# Altium PCB UHF_RFID_PROJECT.PcbDoc (part 3 of 3) (continued)
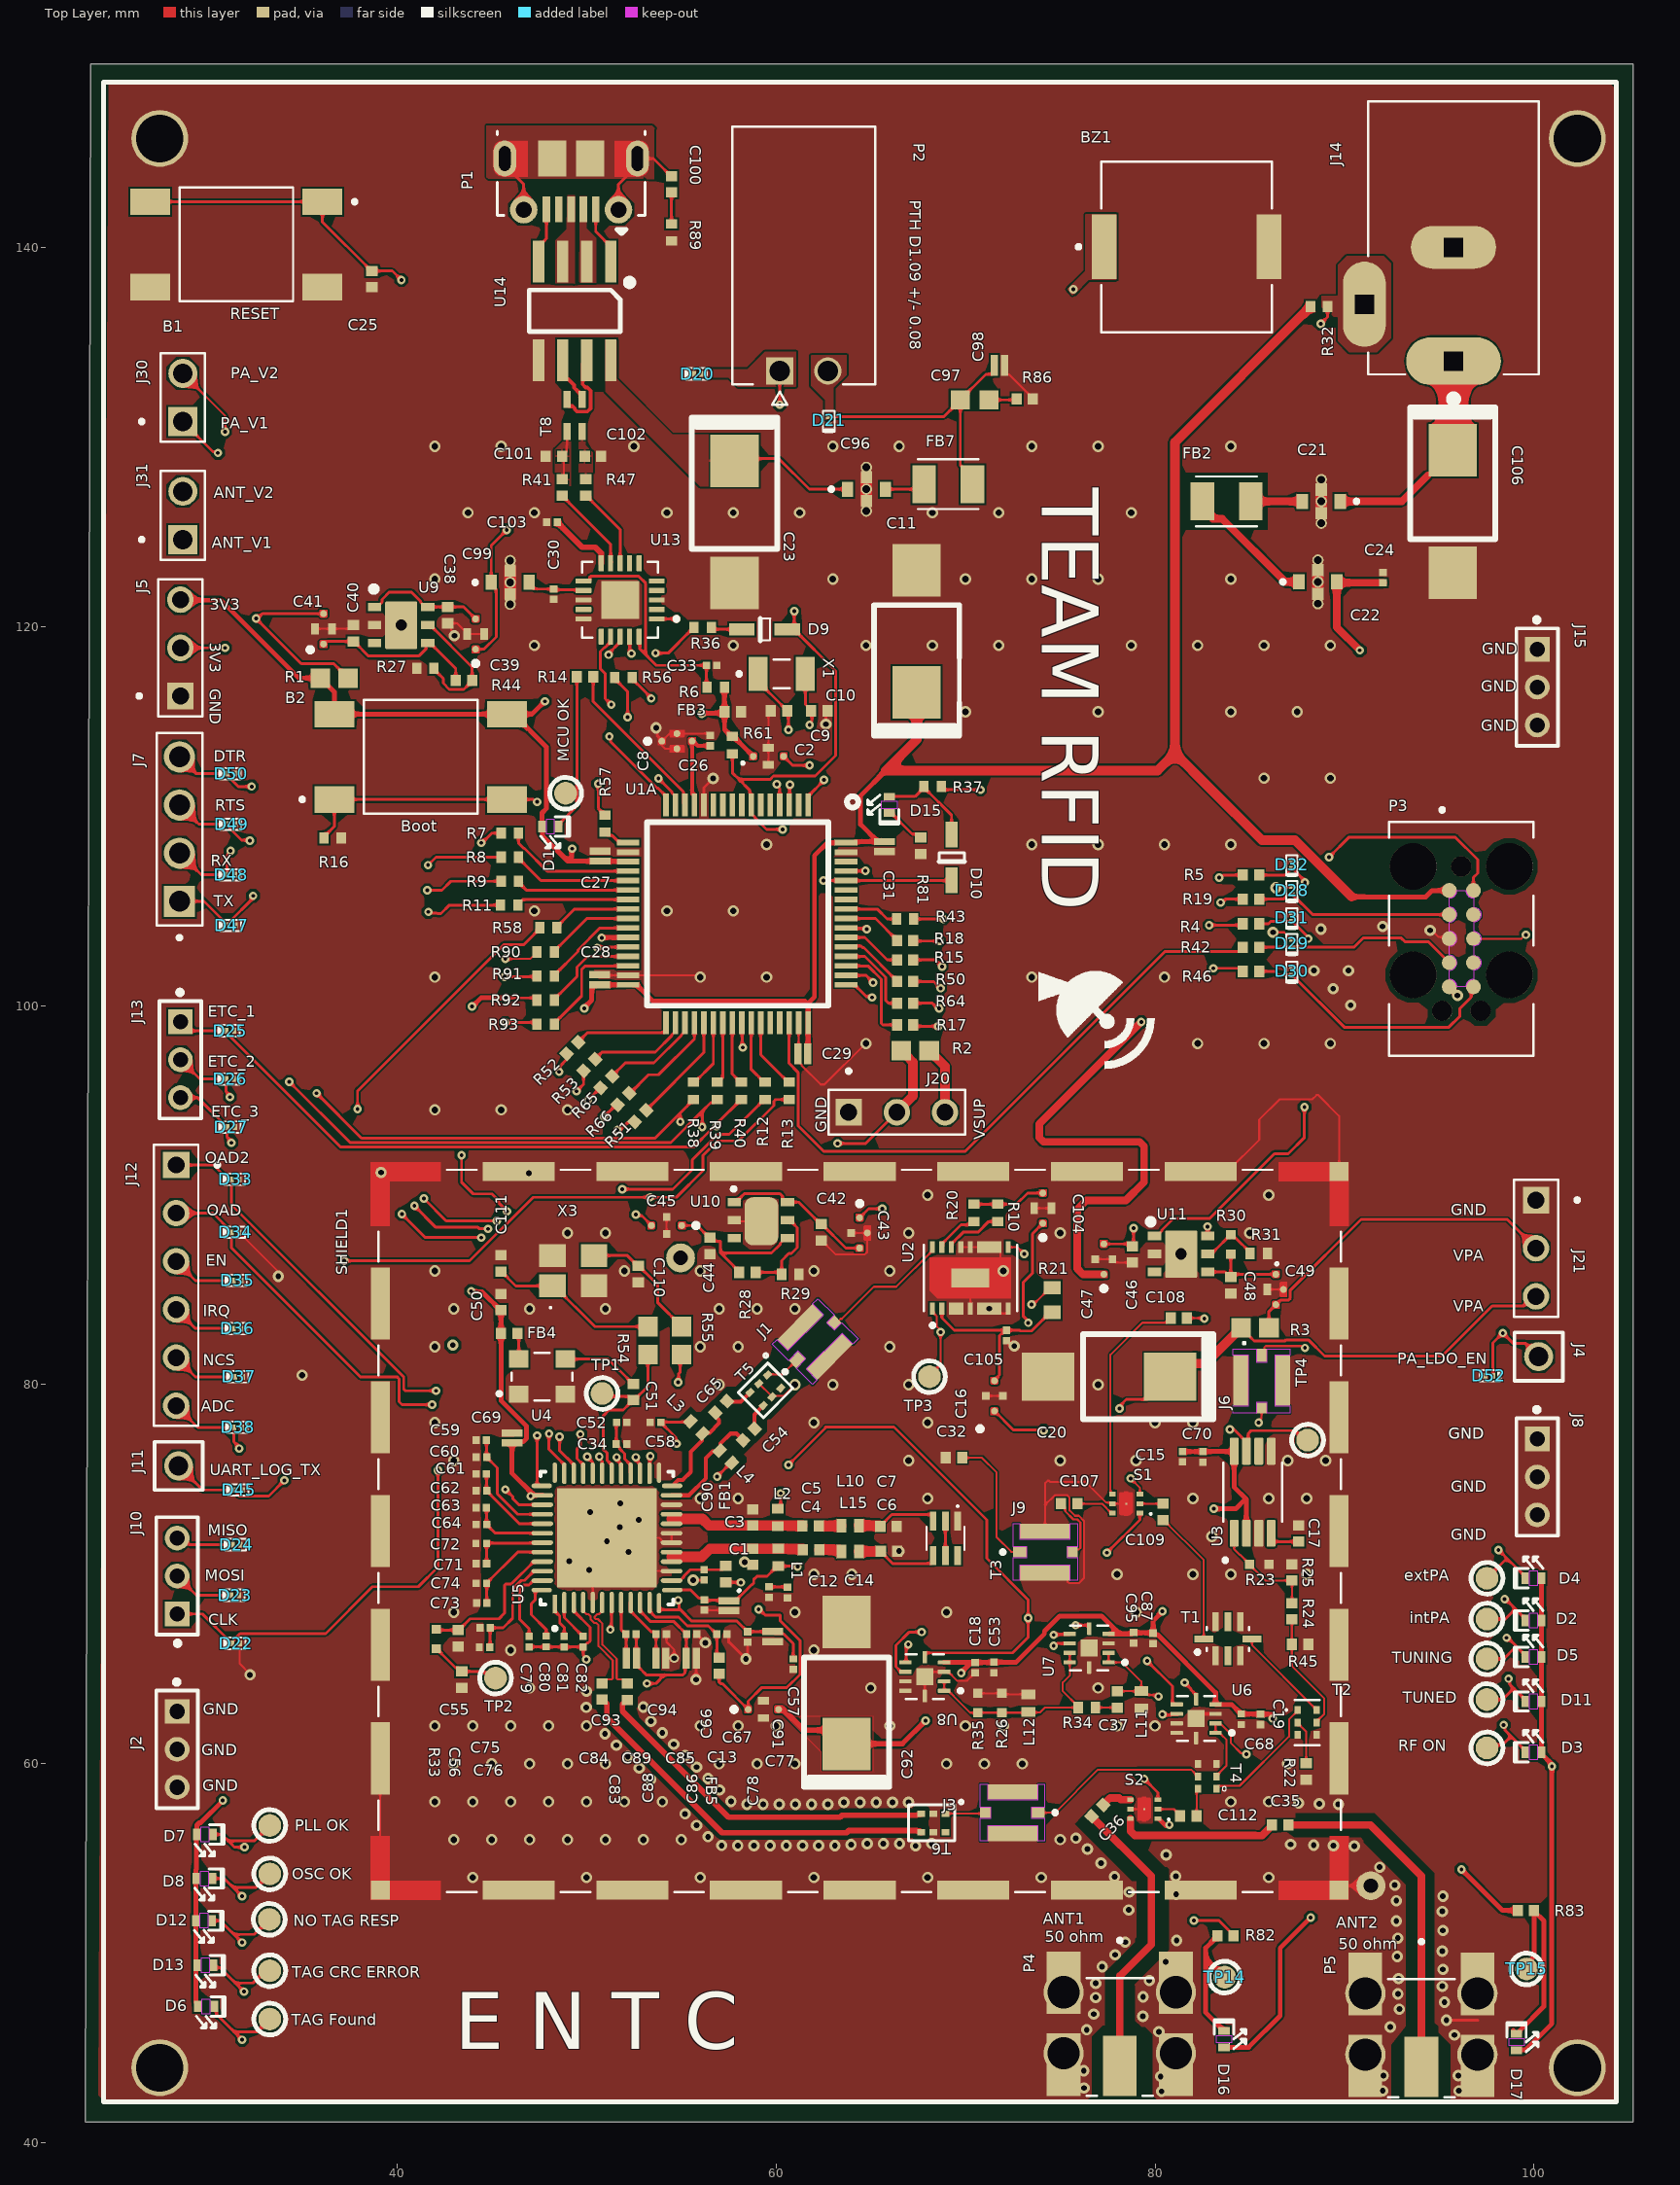
[diagram p0: Top Layer view]
## Nets (pads, with @x,y where several pads share a name; then routed paths per layer and width w, separated by ;. In a path a pad name is that pad's centre, name@x,y a point inside that pad or via, vN(x,y) a via of type N, cw(c..) or ccw(c..) an arc to the next point about the centre after c; other vN are vias at no path point) (continued)
  Routing w0.15: v1(51.206,114.198) 51.206,114.224 52.172,115.189 v1(52.172,115.214)
NetR57_2: R57.2 U1A.17 | length 1.4
  Top Layer w0.15: R57.2@50.975,109.143 51.145,108.973 51.366,108.973 51.744,108.595 U1A.17@52.194,108.595
NetR58_1: R58.1 U1A.24 | length 4.2
  Top Layer w0.15: R58.1@48.442,104.107 48.442,104.162 49.375,105.095 U1A.24@52.194,105.095
NetR90_1: R90.1 U1A.25 | length 4.7
  Top Layer w0.15: R90.1@48.307,102.825 48.307,102.88 50.022,104.595 U1A.25@52.194,104.595
NetR91_2: R91.2 U1A.26 | length 5
  Top Layer w0.15: R91.2@48.307,101.555 48.307,101.61 49.55,102.853 49.55,102.935 50.71,104.095 U1A.26@52.194,104.095
NetR92_2: R92.2 U1A.29 | length 5.2
  Top Layer w0.15: R92.2@48.307,100.285 48.307,100.34 49.505,101.538 49.505,102.032 50.068,102.595 U1A.29@52.194,102.595
NetR93_2: R93.2 U1A.30 | length 6
  Top Layer w0.15: R93.2@48.307,99.015 48.307,99.07 49.744,100.506 49.744,101.907 49.931,102.095 U1A.30@52.194,102.095
NetT2_1: T2.1 T4.1 | length 6.6
  Top Layer w0.107: T4.1@83.248,58.684 83.248,58.712 83.261,58.725 83.261,58.737 83.36,58.836 84.464,58.836 87.071,61.443 87.071,62.342 87.529,62.8 T2.1@87.529,62.84
NetT3_2: T3.2 T3.5 | length 1.8
  Top Layer w0.15: T3.5@68.936,70.996 T3.2@68.936,72.796
NO_RESP: "NO TAG RESP.TP?" D12.C R65.2 | length 60.9
  Top Layer w0.15: D12.C@30.25,51.725 30.673,51.725 31.394,51.003 ; v1(31.826,50.571) 31.394,51.003 ; 33.265,51.793 32.475,51.003 31.394,51.003 ; v1(50.063,94.996) 50.737,95.669 R65.2@50.744,95.669
  Routing w0.15: v1(31.826,50.571) 36.601,50.571 40.607,54.577 40.607,87.158 40.651,87.202 cw(c40.757,87.096) 40.652,87.203 ; 40.652,87.203 48.739,95.093 48.806,95.093 v1(50.063,94.996)
NO_RESP_LED: R65.1 U1A.35 | length 5.3
  Top Layer w0.15: R65.1@51.355,96.28 52.05,96.975 53.556,96.975 55.013,98.432 55.013,98.464 55.194,98.645 U1A.35@55.194,99.095
OAD: D34.1 J12.2 U5.27 | length 35.2
  Top Layer w0.15: J12.2@28.35,89.051 30.284,89.051 31.271,88.063 D34.1@31.271,88.035 ; D34.1@31.271,88.006 31.271,87.219 38.088,80.402 40.022,80.402 40.118,80.306 40.118,79.098 40.273,78.943 v1(41.859,78.943) ; v1(52.608,76.168) 52.666,76.111 52.666,75.964 52.832,75.798 52.832,75.336 52.83,75.334 U5.27@52.83,75.326
  Routing w0.15: v1(41.859,78.943) 45.3,75.502 53.246,75.502 53.792,76.049 53.792,76.402 53.542,76.652 53.093,76.652 v1(52.608,76.168)
OAD2: D33.1 J12.1 U5.26 | length 33.9
  Top Layer w0.15: J12.1@28.35,91.591 30.316,91.591 31.078,90.829 D33.1@31.271,90.829 31.271,89.491 40.357,80.405 40.357,79.768 40.445,79.68 v1(42.062,79.68) ; U5.26@53.33,75.326 53.347,75.343 53.347,76.207 v1(53.365,76.225)
  Routing w0.15: v1(42.062,79.68) 46.001,75.741 52.881,75.741 v1(53.365,76.225)
OSC: "OSC OK.TP?" D8.C R53.2 | length 60.2
  Top Layer w0.15: D8.C@30.205,53.95 D8.C@30.275,53.95 30.886,53.95 31.356,53.48 ; v1(31.826,53.01) 31.356,53.48 ; 33.29,54.193 32.577,53.48 31.356,53.48 ; v1(49.479,95.479) 49.846,95.846 49.846,96.249 49.867,96.27 49.867,96.546 R53.2@49.846,96.567
  Routing w0.15: v1(31.826,53.01) 36.906,53.01 40.31,56.413 40.31,87.1 40.368,87.257 43.212,90.126 45.128,92.072 ; v1(49.479,95.479) 48.565,95.479 45.282,92.196 ; 45.128,92.072 cw(c45.725,91.486) 45.282,92.196 ; 45.128,92.072 cw(c45.725,91.486) 45.282,92.196 ; 45.128,92.072 cw(c45.725,91.486) 45.282,92.196 ; 45.128,92.072 cw(c45.725,91.486) 45.282,92.196 ; 45.128,92.072 cw(c45.725,91.486) 45.282,92.196 ; 45.128,92.072 cw(c45.725,91.486) 45.282,92.196 ; 45.128,92.072 cw(c45.725,91.486) 45.282,92.196 ; 45.128,92.072 cw(c45.725,91.486) 45.282,92.196
OSC32_IN: C9.2 U1A.3 X1.1 | length 8
  Top Layer w0.15: X1.1@59.05,117.5 59.05,117.1 60.375,115.775 60.394,115.775 60.589,115.58 C9.2@60.589,115.55 60.655,115.484 v1(60.655,114.554) ; U1A.3@60.694,110.595 60.694,110.654 60.655,110.693 60.713,110.751 60.713,111.64 v1(60.731,111.658)
  Routing w0.15: v1(60.655,114.554) 61.138,114.071 61.138,113.182 60.731,112.776 v1(60.731,111.658)
OSC32_OUT: C10.2 U1A.4 X1.2 | length 7.9
  Top Layer w0.15: v1(60.046,111.684) 60.046,111.603 60.194,111.454 U1A.4@60.194,110.595 ; X1.2@61.55,117.5 61.55,115.88 61.85,115.58 C10.2@61.85,115.55 61.9,115.5 61.9,115.011 61.773,114.884 v1(61.773,114.808)
  Gnd w0.15: v1(60.046,111.684) 60.046,113.196 60.7,113.85 60.815,113.85 v1(61.773,114.808)
OSC_LED: R53.1 U1A.34 | length 5.3
  Top Layer w0.15: R53.1@50.457,97.178 50.823,97.545 53.625,97.545 54.513,98.432 54.513,98.464 54.694,98.645 U1A.34@54.694,99.095
OSCI: R55.1 U5.29 | length 7.9
  Top Layer w0.15: v1(51.591,76.168) 51.649,76.111 51.649,75.981 51.83,75.8 U5.29@51.83,75.326 ; v1(54.83,80.129) 54.865,80.164 54.865,80.579 54.94,80.653 54.94,81.518 R55.1@55.017,81.595
  Routing w0.15: v1(51.591,76.168) 54.94,79.517 54.94,79.667 54.888,79.72 54.888,80.071 v1(54.83,80.129)
OSCO: C51.1 R54.1 TP1.TP? U5.30 | length 9.7
  Top Layer w0.15: TP1.TP?@50.826,79.536 50.987,79.375 52.252,79.375 C51.1@52.447,79.18 ; U5.30@51.33,75.326 51.301,75.355 51.301,75.805 51.1,76.005 51.1,76.377 50.876,76.601 50.876,78.347 51.195,78.666 51.933,78.666 C51.1@52.447,79.18 ; R54.1@53.239,81.595 53.239,79.912 52.507,79.18 C51.1@52.477,79.18 C51.1@52.447,79.18
"PA OUT": J6.A U2.7 | length 20.5
  Top Layer w0.107: U2.7@72.257,87.252 72.743,87.252 v1(73.101,86.893) ; J6.A@85.624,81.548 85.766,81.69 85.766,81.957 85.85,82.041 87.717,82.041 87.817,81.94 v1(87.909,81.94)
  Routing w0.11: v1(73.101,86.893) 75.578,84.417 85.433,84.417 v1(87.909,81.94)
PA_LDO_EN: D52.1 J4.01 R43.1 U11.1 | length 58.6
  Top Layer w0.15: R43.1@67.275,104.571 v1(68.834,104.572) ; U11.1@79.985,87.86 U11.1@79.975,87.85 80.1,87.85 80.361,88.111 80.361,88.163 80.971,88.773 82.883,88.773 86.298,92.188 87.032,92.188 87.884,93.04 v1(87.884,94.64) ; D52.1@97.826,80.469 97.826,82.205 v1(98.349,82.728) 98.887,82.189 99.535,82.189 J4.01@100.239,81.485
  Routing w0.15: v1(68.834,104.572) 77.826,95.58 87.757,95.58 88.278,95.059 ; v1(87.884,94.64) 88.278,95.034 88.278,95.059 ; v1(98.349,82.728) 98.298,82.779 98.298,85.039 88.278,95.059
"PAOUT N": C1.1 C4.1 L1.1 U5.16 U5.17 | length 7.9
  Top Layer w0.15: U5.16@54.49,70.666 54.49,70.916 U5.17@54.49,71.166 ; L1.1@59.882,71.531 60.062,71.351 L1.1@60.122,71.351
  Top Layer w0.55: 54.49,70.916 56.082,70.916 56.515,71.349 C1.1@58.776,71.349 C4.1@61.417,71.349
"PAOUT P": C3.1 C5.1 L2.2 U5.20 U5.21 | length 7.5
  Top Layer w0.15: U5.20@54.49,72.666 54.49,72.916 U5.21@54.49,73.166
  Top Layer w0.55: 54.49,72.916 56.116,72.916 56.464,72.568 C3.1@58.776,72.568 C5.1@61.392,72.568
PLL: "PLL OK.TP?" D7.C R52.2 | length 56.9
  Top Layer w0.15: D7.C@30.295,56.275 30.749,56.275 31.086,55.938 ; v1(31.953,55.601) 31.423,55.601 31.086,55.938 ; 33.29,56.746 32.482,55.938 31.086,55.938 ; v1(48.56,96.503) 48.618,96.561 48.618,96.817 48.969,97.168 48.969,97.444 R52.2@48.948,97.465
  Routing w0.15: v1(31.953,55.601) 37.963,55.601 40.071,57.709 40.071,87.26 40.071,87.323 44.924,92.251 cw(c45.692,91.497) 44.934,92.26 cw(c45.039,92.153) 44.935,92.262 48.56,95.887 v1(48.56,96.503)
PLL_LED: R52.1 U1A.33 | length 5.3
  Top Layer w0.15: R52.1@49.559,98.076 50.053,98.57 54.119,98.57 54.194,98.645 U1A.33@54.194,99.095
Reset: D9.C R36.2 | length 1.7
  Top Layer w0.15: R36.2@56.582,119.95 56.682,119.85 D9.C@58.2,119.85
RF: "RF ON.TP?" D3.C R17.2 | length 59.5
  Top Layer w0.15: R17.2@67.25,98.983 67.325,98.908 v1(68.555,98.908) ; 97.515,60.838 97.679,61.002 98.34,61.002 98.789,61.451 ; v1(98.4,62.052) 98.457,61.995 98.457,61.783 98.789,61.451 ; D3.C@99.526,60.613 99.526,60.713 98.789,61.451
  Routing w0.15: v1(68.555,98.908) 77.114,90.348 84.658,90.348 91.897,83.109 91.897,66.827 96.712,62.013 98.36,62.013 v1(98.4,62.052)
RF_LED: R17.1 U1A.51 | length 5.3
  Top Layer w0.15: U1A.51@63.694,102.095 64.853,102.095 65.553,101.396 65.553,99.071 65.64,98.983 R17.1@66.386,98.983
RFO_N: C54.2 L4.1 U5.23 | length 6.1
  Top Layer w0.21: U5.23@54.49,74.166 55.414,74.166 56.308,75.06 56.308,76.131 56.659,76.483 56.985,76.483 L4.1@57.028,76.525 57.07,76.568 57.07,76.894 57.599,77.422 57.905,77.422 58.256,77.072 C54.2@58.268,77.072
RFO_P: C65.1 L3.2 U5.24 | length 5.3
  Top Layer w0.11: U5.24@54.522,74.666 U5.24@54.527,74.666 ; C65.1@56.795,78.52 C65.1@56.816,78.499
  Top Layer w0.21: U5.24@54.522,74.666 54.832,74.976 55.078,74.976 55.498,75.396 55.498,76.467 56.087,77.056 56.087,77.382 L3.2@56.129,77.424 56.172,77.467 56.498,77.467 56.999,77.968 56.999,78.142 56.795,78.347 C65.1@56.795,78.52
RTS: D49.1 J7.03 R36.1 U13.19 | length 34
  Top Layer w0.15: J7.03@28.525,110.583 29.541,109.567 D49.1@31.065,109.567 31.065,109.539 31.193,109.411 31.193,109.349 31.808,108.734 32.216,108.734 v1(32.246,108.703) ; v1@52.275,118.748 U13.19@52.275,119.465 ; v1(53.645,118.593) 54.311,118.593 55.443,119.725 55.498,119.725 55.668,119.895 R36.1@55.668,119.95
  Routing w0.15: v1(32.246,108.703) 32.254,108.712 43.142,108.712 53.01,118.58 ; v1(52.375,118.567) 52.387,118.58 53.01,118.58 ; v1(53.645,118.593) 53.632,118.58 53.01,118.58
RX: D48.1 J7.02 R56.1 U13.1 | length 41.1
  Top Layer w0.15: J7.02@28.525,108.043 29.668,106.9 D48.1@31.033,106.9 31.033,107.891 31.222,108.08 v1(31.222,108.161) ; R56.1@52.407,117.3 52.407,117.245 53.416,116.236 v1(53.416,116.205) ; U13.1@53.71,120.4 v1(54.75,120.4)
  Routing w0.15: v1(31.222,108.161) 31.674,108.613 31.674,108.736 34.257,111.318 44.58,111.318 51.593,118.331 51.593,118.389 52.223,119.02 53.822,119.02 54.072,118.769 54.072,116.861 ; v1(53.416,116.205) 54.072,116.861 ; v1(54.75,120.4) 54.75,117.539 54.072,116.861
RX_N: C94.1 T6.3 | length 18.9
  Top Layer w0.301: C94.1@52.15,63.368 52.12,63.368 51.898,63.146 51.898,62.783 57.496,57.185 63.387,57.185 63.492,57.29 67.427,57.29 67.452,57.315 67.59,57.315 T6.3@67.65,57.375
RX_P: C93.1 T6.4 | length 20.2
  Top Layer w0.301: C93.1@50.825,63.386 50.855,63.386 51.078,63.163 51.078,62.443 57.156,56.365 63.726,56.365 63.831,56.47 67.427,56.47 67.452,56.445 67.59,56.445 T6.4@67.65,56.385
TAG: "TAG Found.TP?" D6.C R51.2 | length 66.3
  Top Layer w0.15: D6.C@30.36,47.2 30.472,47.088 30.472,46.795 31.407,45.86 ; v1(31.826,45.441) 31.407,45.86 ; 33.29,46.533 32.617,45.86 31.407,45.86 ; v1(51.638,93.437) 51.696,93.494 51.843,93.494 52.243,93.895 52.519,93.895 R51.2@52.54,93.873
  Routing w0.15: v1(31.826,45.441) 35.738,45.441 40.983,50.685 41.026,50.729 41.085,54.379 41.43,78.943 41.432,78.946 41.432,86.974 44.03,89.572 47.967,89.572 48.92,90.526 48.92,90.692 51.638,93.409 v1(51.638,93.437)
TAG_LED: R51.1 U1A.37 | length 5.9
  Top Layer w0.15: R51.1@53.151,94.484 56.194,97.527 U1A.37@56.194,99.095
TUNED: D11.C R64.2 TUNED.TP? | length 58.9
  Top Layer w0.15: R64.2@67.25,100.126 68.248,100.126 68.526,99.847 v1(68.605,99.847) ; TUNED.TP?@97.515,63.388 97.517,63.39 98.34,63.39 98.933,63.982 ; v1(98.654,64.491) 98.711,64.433 98.711,64.204 98.933,63.982 ; D11.C@99.526,63.288 99.526,63.388 98.933,63.982
  Routing w0.15: v1(68.605,99.847) 76.835,91.618 76.835,91.528 76.923,91.44 85.344,91.44 85.394,91.39 93.243,83.541 93.41,83.541 93.497,83.453 93.497,67.412 96.458,64.451 98.614,64.451 v1(98.654,64.491)
TUNED_LED: R64.1 U1A.52 | length 4.4
  Top Layer w0.15: U1A.52@63.694,102.595 64.691,102.595 65.791,101.495 65.791,100.274 65.939,100.126 R64.1@66.386,100.126
TUNING: D5.C R50.2 TUNING.TP? | length 58
  Top Layer w0.15: R50.2@67.25,101.269 68.327,101.269 v1(68.682,100.914) ; TUNING.TP?@97.515,65.538 98.401,65.538 99.009,66.146 99.119,66.146 ; v1(98.552,66.65) 98.615,66.65 99.119,66.146 ; D5.C@99.526,65.638 99.526,65.738 99.119,66.146
  Routing w0.15: v1(68.682,100.914) 77.14,92.456 86.106,92.456 94.513,84.049 94.513,68.682 96.545,66.65 v1(98.552,66.65)
TUNING_LED: R50.1 U1A.53 | length 3.5
  Top Layer w0.15: U1A.53@63.694,103.095 63.919,103.095 63.973,103.149 64.479,103.149 64.567,103.062 64.567,103.057 64.628,103.057 66.386,101.299 R50.1@66.386,101.269
TX: D47.1 J7.01 R57.1 U13.17 | length 36.7
  Top Layer w0.15: J7.01@28.525,105.503 29.824,105.503 31.065,104.262 31.193,104.389 31.193,104.451 32.353,105.611 32.353,105.734 v1(32.41,105.791) v1@32.385,105.791 ; v1(50.622,111.709) 50.622,110.41 50.75,110.282 50.75,110.227 50.92,110.057 R57.1@50.975,110.057 ; U13.17@51.275,119.465 51.275,119.18 51.03,118.935 51.012,118.935 50.958,118.881 50.935,118.881 50.739,118.685 50.739,117.77 50.995,117.514 50.995,116.198 51.308,115.885 v1(51.308,115.875)
  Routing w0.15: v1(32.41,105.791) 32.43,105.791 35.112,108.473 43.241,108.473 47.731,112.964 50.622,112.964 ; v1(50.622,111.709) 50.622,112.964 ; v1(51.308,115.875) 51.308,114.904 50.622,114.218 50.622,112.964
TX_N: C54.1 T5.4 | length 1.7
  Top Layer w0.21: C54.1@58.878,77.894 C54.1@58.878,77.682 58.857,77.704 58.857,78.423 T5.4@59.335,78.901 T5.4@59.293,78.901
TX_P: C65.2 T5.3 | length 1.7
  Top Layer w0.21: C65.2@57.621,79.131 C65.2@57.406,79.131 57.427,79.11 58.144,79.11 T5.3@58.635,79.601 T5.3@58.635,79.559
UART_LOG_TX: D45.1 J11.01 R58.2 | length 42.2
  Top Layer w0.15: J11.01@28.477,75.716 29.747,74.446 D45.1@31.446,74.446 31.446,74.417 31.573,74.29 31.573,74.228 31.669,74.132 33.238,74.132 v1(34.061,74.955) ; v1(37.922,94.539) 37.922,95.498 45.647,103.223 46.699,103.223 47.528,104.052 R58.2@47.528,104.107
  Routing w0.15: v1(34.061,74.955) 34.061,82.857 34.211,83.007 34.211,84.962 34.504,85.255 34.504,88.579 34.211,88.872 34.211,90.827 v1(37.922,94.539)
UReset: C33.2 R6.1 U13.11 U13.20 | length 13.2
  Top Layer w0.15: U13.11@49.84,122.4 50.125,122.4 50.185,122.46 50.185,122.626 50.216,122.657 52.75,122.657 53.126,122.281 53.126,118.507 ; U13.20@52.775,119.465 52.814,119.426 52.814,118.82 53.126,118.507 ; R6.1@56.361,116.8 56.288,116.8 56.328,116.84 C33.2@56.328,117.95 53.684,117.95 53.126,118.507
VBPD: C34.2 C52.2 U5.28 | length 3
  Top Layer w0.15: C52.2@51.588,78.012 51.574,77.999 51.574,76.882 51.588,76.869 51.588,76.832 51.769,76.651 51.769,76.601 52.018,76.352 52.018,76.087 52.301,75.805 52.301,75.355 U5.28@52.33,75.326
VBUS: C39.1 C43.1 C99.1 D20.2 P2.1 | length 72.4
  Top Layer w0.15: C39.1@44.15,118.8 44.582,118.8 45.237,119.456 45.237,121.963 44.975,122.225 44.975,124.274 v1(45.796,125.095) ; v1(60.198,131.701) P2.1@60.198,133.477 ; C43.1@64.415,88.807 64.889,89.281 v1(65.608,89.281)
  Power w0.15: v1(45.796,125.095) 49.479,125.095 56.085,131.701 v1(60.198,131.701) 60.533,131.366 60.533,115.28 61.158,114.655 61.158,95.422 65.608,90.972 v1(65.608,89.281)
VDD_A: C73.2 C74.2 U5.44 | length 4.7
  Top Layer w0.15: C73.2@44.747,68.478 44.739,68.487 44.739,69.522 44.731,69.53 46.367,71.166 U5.44@47.67,71.166
VDD_B: C57.1 C58.2 C77.2 C78.2 L3.1 L4.2 U5.12 | length 24.2
  Top Layer w0.15: U5.12@53.83,68.474 53.83,68.173 53.871,68.132 54.951,68.132 ; v1(54.762,76.886) 54.705,76.943 54.705,77.225 53.928,78.002 C58.2@53.928,78.012 53.948,78.032 55.436,78.032 L3.1@55.479,78.075 ; v1(54.839,68.628) 54.896,68.571 54.896,68.187 54.951,68.132 ; v1(56.896,75.159) 57.612,75.875 L4.2@57.678,75.875 ; C57.1@60.909,65.534 60.909,66.337 60.386,66.86 59.94,66.86 C77.2@59.825,66.975 C77.2@59.825,66.975 58.501,66.974 C78.2@58.5,66.972 58.495,66.972 57.943,67.524 55.559,67.524 54.951,68.132
  Power w0.15: v1(54.762,76.886) 54.8,76.848 54.8,75.692 ; v1(54.839,68.628) 54.8,68.666 54.8,75.692 ; v1(56.896,75.159) 55.334,75.159 54.8,75.692
VDD_MX: C79.1 C80.1 C81.1 C82.1 C83.1 C84.1 C85.2 C86.2 U5.3 U5.7 U5.10 | length 24.2
  Top Layer w0.15: C79.1@46.975,66.169 46.978,66.172 47.872,66.172 C80.1@47.875,66.175 47.878,66.172 48.822,66.172 C81.1@48.825,66.169 C82.1@49.825,66.169 49.825,65.75 49.987,65.588 v1(49.987,65.507) ; U5.3@49.33,68.506 49.33,68.057 50.189,67.198 50.189,66.473 50.093,66.377 50.043,66.377 C82.1@49.835,66.169 ; v1(51.257,67.081) 51.313,67.137 51.313,68.489 U5.7@51.33,68.506 ; C84.1@52.622,66.841 C84.1@52.622,66.836 52.63,66.828 52.63,65.583 C83.1@52.638,65.575 52.638,65.215 52.965,64.888 52.965,64.885 53.075,64.775 53.156,64.694 54.124,64.694 ; U5.10@52.83,68.506 52.83,68.057 53.386,67.5 54.619,67.5 55.278,66.841 C85.2@55.278,66.836 55.27,66.828 55.27,65.583 C86.2@55.262,65.575 55.199,65.512 55.199,64.8 55.093,64.694 54.124,64.694 ; v1(53.188,64.237) 53.667,64.237 54.124,64.694
  Routing w0.15: v1(49.987,65.507) 50.597,65.507 51.257,66.167 ; v1(51.257,67.081) 51.257,66.167 ; v1(53.188,64.237) 51.257,66.167
VDD_PA: C66.2 C67.2 L1.2 L2.1 U5.13 | length 12.8
  Top Layer w0.15: U5.13@54.522,69.166 55.502,69.166 55.929,68.739 55.929,68.736 56.13,68.736 C66.2@56.218,68.649 56.239,68.628 57.492,68.628 C67.2@57.513,68.607 57.873,68.607 58.71,69.444 58.739,69.444 58.826,69.531 58.826,69.723 59.004,69.901 59.531,69.901 60.062,70.431 L1.2@60.122,70.431 61.115,70.431 v1(61.138,70.409) ; L2.1@60.096,73.46 60.249,73.612 v1(60.249,74.27)
  Routing w0.15: v1(60.249,74.27) 61.138,73.381 v1(61.138,70.409)
VDDA: C8.3 C26.2 U1A.13 | length 4.5
  Top Layer w0.15: C8.3@55.575,113.95 C8.3@55.632,113.95
  Top Layer w0.2: C8.3@55.575,113.95 55.575,111.164 55.694,111.045 U1A.13@55.694,110.595 ; C8.3@55.632,113.95 55.876,113.706 C26.2@56.525,113.706
VDDLF: C75.2 C76.2 U5.46 | length 5.9
  Top Layer w0.15: C76.2@44.906,66.15 44.914,66.158 44.914,67.167 C75.2@44.922,67.175 45.599,67.175 46.101,67.677 46.101,69.215 46.562,69.676 46.73,69.676 47.221,70.166 U5.46@47.67,70.166
VEXT_PA: C90.2 FB1.1 U5.14 | length 3.2
  Top Layer w0.15: U5.14@54.49,69.666 54.519,69.695 54.969,69.695 55.134,69.86 55.134,69.897 55.479,70.242 C90.2@56.21,70.242 57.16,70.242 FB1.1@57.353,70.434
VOSC: C71.2 C72.2 U5.43 | length 4
  Top Layer w0.15: C71.2@44.729,70.561 C72.2@44.729,71.628 44.75,71.649 47.653,71.649 U5.43@47.67,71.666
VPA: C16.1 C20.1 C104.1 J21.3 R3.2 | length 46.9
  Top Layer w0.15: C16.1@71.527,78.609 72.514,77.622 74.079,77.622 v1(74.124,77.578) ; v1(73.313,83.266) 73.313,83.347 73.055,83.605 73.055,85.415 73.528,85.888 73.528,87.96 C104.1@74.079,88.511 ; v1(78.13,78.74) 78.129,78.741 78.129,78.866 78.488,79.225 79.598,79.225 C20.1@80.798,80.425 C20.1@81.998,81.625 ; R3.2@84.53,83 84.55,83 84.985,82.565 84.985,82.555 85.226,82.314 86.862,82.314 86.916,82.367 88.086,82.367 88.945,81.509 95.148,81.509 97.79,84.15 99.43,84.15 99.94,84.66 J21.3@100.103,84.66
  Top Layer w0.5: C20.1@80.798,80.425 81.483,81.11 82.64,81.11 R3.2@84.53,83
  Routing w0.15: v1(73.313,83.266) 73.313,81.024 73.076,80.787 73.076,78.626 v1(74.124,77.578) ; v1@74.168,77.622 75.286,78.74 v1(78.13,78.74)
VSUP: C91.3 C92.1 J20.3 R2.2 | length 46.3
  Top Layer w0.27: 66.668,61.055 v1(67.894,62.281)
  Top Layer w0.29: C92.1@63.725,61.055 66.668,61.055
  Top Layer w0.3: C91.3@60.134,62.871 60.146,62.86 60.393,62.86 61.48,61.773 63.007,61.773 C92.1@63.725,61.055 ; R2.2@68.085,97.625 68.095,97.625 68.455,97.265 R2.2@68.455,97.255
  Top Layer w0.5: R2.2@68.455,97.255 68.915,96.795 J20.3@68.915,94.375
  Power w0.15: v1(67.894,62.281) v1@67.894,62.357 ; 68.326,62.789 68.326,62.82
  Power w0.25: v1@67.951,62.414 68.326,62.789 68.442,62.789 70.251,64.598 70.251,78.673 70.201,78.723 69.344,79.58 69.344,93.655 68.915,94.084 J20.3@68.915,94.375
pads on no net: P1.4 P3. P3.7 P3.9 T1.2 T1.6 T3.6 T5.6 T6.6 U1A.2 U1A.5 U1A.6 U1A.8 U1A.9 U1A.10 U1A.11 U1A.44 U1A.45 U1A.58 U1A.59 U1A.62 U3.6 U5.36 U9.3 U10.3 U11.3 U13.2 U13.4 U13.5 U13.6 U13.7 U13.14 U13.16

## Polygon pours and split planes (outlines as drawn)
GND on Top Layer "GND_L01_P031" (solid, remove dead copper, pour order 31): 24.79,148.742 24.816,148.717 103.911,148.717 104.343,148.285 104.343,42.164 24.613,42.164 24.257,42.52
NetC100_2 on Top Layer "NETC100_2_L01_P022" (solid, remove dead copper, pour order 22): 53.264,143.535 53.188,143.612 44.831,143.612 44.729,143.713 44.729,146.431 53.467,146.431 53.619,146.279 53.569,146.228 53.569,143.586 53.193,143.586 53.045,143.734
D_CMC_N on Top Layer "D_CMC_N_L01_P008" (solid, remove dead copper, pour order 8): 48.768,130.708 48.793,130.734 49.174,130.734 49.174,127.406 48.336,127.406 48.336,129.337 48.768,129.769
NetC23_1 on Top Layer "NETC23_1_L01_P009" (solid, remove dead copper, pour order 9): 51.003,135.128 51.003,132.385 56.007,127.381 59.08,127.381 59.106,127.356 59.131,127.381 59.131,130.175 56.54,130.175 56.49,130.124 54.534,130.124 51.587,133.071 51.587,135.179
VBUS on Top Layer "VBUS_L01_P010" (solid, remove dead copper, pour order 10): 55.908,133.525 55.962,133.579 58.496,133.579 59.411,134.493 61.062,134.493 61.062,132.664 61.036,132.639 57.988,132.639 57.502,133.125 55.908,133.125
NetC97_2 on Top Layer "NETC97_2_L01_P011" (solid, remove dead copper, pour order 11): 62.989,130.914 63.043,130.968 63.043,132.588 63.729,133.274 63.729,134.315 61.874,134.315 61.849,134.29 61.849,132.69 62.589,131.95 62.589,130.914
NetJ14_3 on Top Layer "NETJ14_3_L01_P013" (solid, remove dead copper, pour order 13): 88.773,137.431 88.773,136.331 89.609,136.331 89.662,136.278 89.662,135.052 90.246,134.468 91.719,134.468 92.456,135.204 92.456,139.167 92.075,139.548 90.119,139.548 89.662,139.09 89.662,137.483 89.609,137.431
NetBZ1_1 on Top Layer "NETBZ1_1_L01_P014" (solid, remove dead copper, pour order 14): 75.362,137.795 76.327,138.76 76.327,141.732 76.352,141.757 77.927,141.757 77.953,141.783 77.953,138.303 77.927,138.278 76.505,138.278 75.768,137.541 75.717,137.541 75.641,137.465
VSUP on Top Layer "VSUP_L01_P015" (solid, remove dead copper, pour order 15): 59.984,63.071 60.373,63.071 60.96,62.484 60.985,62.509 65.1,62.509 65.1,59.614 65.151,59.563 62.382,59.563 62.382,60.623 60.334,62.671 59.984,62.671 59.934,62.721 59.934,63.021 59.959,63.046
D_CON_N on Top Layer "D_CON_N_L01_P004" (solid, remove dead copper, pour order 4): 49.632,141.376 49.632,142.697 50.038,142.697 50.013,142.672 50.013,140.995 50.521,140.487 50.521,138.125 49.657,138.125 49.606,138.176
D_CON_P on Top Layer "D_CON_P_L01_P005" (solid, remove dead copper, pour order 5): 48.997,142.748 49.378,142.748 49.378,138.053 49.375,138.05 49.325,138.1 48.362,138.1 48.362,140.36 48.946,140.945 48.946,141.199
D_CMC_P on Top Layer "D_CMC_P_L01_P006" (solid, remove dead copper, pour order 6): 49.581,130.683 49.606,130.708 49.962,130.708 49.962,129.565 50.343,129.184 50.343,127.381 49.601,127.381
GND on RF_Ground "GND_L02_P028" (solid, remove dead copper, pour order 28): 24.79,148.387 25.121,148.717 103.911,148.717 103.911,42.189 103.581,42.52 24.257,42.52
GND on Power "GND_L03_P034" (solid, remove dead copper, pour order 34): 103.607,149.2 103.429,149.2 103.429,42.672 103.911,42.189 103.886,42.164 24.511,42.164 24.511,148.158 24.409,148.26
GND on Gnd "GND_L04_P035" (solid, remove dead copper, pour order 35): 24.79,148.742 24.968,148.565 103.759,148.565 103.759,98.654 101.397,96.291 103.429,94.259 103.429,42.672 24.765,42.672 24.435,42.342
GND on Routing "GND_L05_P036" (solid, remove dead copper, pour order 36): 24.511,148.717 104.343,148.717 104.343,100.178 103.937,99.771 104.216,99.771 104.216,42.469 104.089,42.342 24.435,42.342
GND on Bottom_Gnd "GND_L06_P037" (solid, remove dead copper, pour order 37): 24.879,148.653 103.543,148.653 103.759,148.869 106.426,146.202 103.911,148.717 103.911,42.672 103.67,42.431 24.346,42.431 24.257,42.52

## Other copper
Top Layer:
  pour cut-out: 75.759,56.823 78.776,53.807 79.01,53.807 79.01,50.84 78.933,50.763 78.933,50.583 77.351,49.001 77.351,46.194 77.25,46.194 76.661,45.606 76.661,42.483 79.891,42.483 79.891,45.708 79.481,46.118 79.299,46.118 78.967,46.449 78.967,48.278 78.925,48.321 78.925,48.36 80.751,50.186 80.751,54.447 80.626,54.572 80.525,54.572 76.989,58.108
  pour cut-out: 92.448,42.027 92.448,45.174 93.217,46.152 93.217,53.62 90.995,55.842 90.995,55.958 90.85,56.103 87.345,56.103 87.388,56.145 87.388,57.464 87.43,57.421 91.598,57.421 91.598,57.391 94.764,54.224 94.764,46.345 94.957,46.152 94.957,45.812 95.595,45.174 95.595,42.294
  pour cut-out: 54.392,74.837 54.392,73.915 54.427,73.95 55.558,73.95 55.558,74.002 56.515,74.959 57.477,74.959 58.435,75.917 58.435,76.171 58.29,76.316 59.507,77.534 59.507,78.108 59.595,78.196 59.717,78.196 61.353,79.832 59.735,81.45 59.438,81.45 57.874,79.886 57.383,79.886 56.04,78.543 55.81,78.543 55.521,78.831 55.491,78.831 54.692,78.032 55.067,77.657 55.067,75.425 54.566,74.924 54.374,74.924
  pour cut-out: 51.222,63.89 51.304,63.835 51.359,63.753 51.379,63.656 51.379,63.361 51.392,63.341 51.426,63.261 51.445,63.163 51.445,62.596 57.308,56.732 63.575,56.732 63.654,56.785 63.7,56.804 63.734,56.818 63.831,56.837 67.427,56.837 67.524,56.818 67.538,56.812 67.59,56.812 67.633,56.804 67.855,56.804 67.952,56.784 68.034,56.729 68.089,56.647 68.109,56.55 68.109,56.22 68.089,56.123 68.034,56.041 67.952,55.986 67.855,55.966 67.445,55.966 67.348,55.986 67.266,56.041 67.224,56.103 63.982,56.103 63.904,56.05 63.823,56.017 63.726,55.997 57.156,55.997 57.059,56.017 56.979,56.05 56.946,56.072 56.896,56.105 50.818,62.184 50.763,62.266 50.729,62.346 50.71,62.443 50.71,62.862 50.525,62.862 50.428,62.882 50.346,62.937 50.291,63.019 50.271,63.116 50.271,63.656 50.291,63.753 50.346,63.835 50.428,63.89 50.525,63.91 51.125,63.91
  pour cut-out: 52.547,63.872 52.629,63.817 52.684,63.735 52.704,63.638 52.704,63.098 52.684,63.001 52.629,62.919 52.547,62.864 52.45,62.844 52.356,62.844 57.648,57.552 63.236,57.552 63.314,57.605 63.395,57.638 63.492,57.657 67.224,57.657 67.266,57.719 67.348,57.774 67.445,57.794 67.855,57.794 67.952,57.774 68.034,57.719 68.089,57.637 68.109,57.54 68.109,57.21 68.089,57.113 68.034,57.031 67.952,56.976 67.855,56.956 67.633,56.956 67.59,56.948 67.538,56.948 67.524,56.942 67.427,56.923 63.643,56.923 63.564,56.87 63.484,56.837 63.387,56.817 57.496,56.817 57.447,56.827 57.399,56.837 57.326,56.867 57.318,56.87 57.285,56.892 57.236,56.925 51.638,62.523 51.583,62.606 51.549,62.686 51.53,62.783 51.53,63.146 51.549,63.243 51.583,63.323 51.596,63.343 51.596,63.638 51.616,63.735 51.671,63.817 51.753,63.872 51.85,63.892 52.45,63.892
  pour cut-out: 71.833,131.354 71.832,131.353 69.109,131.353 69.109,132.523 69.137,132.552 71.742,132.552 71.788,132.506
  pour cut-out: 81.625,128.1 85.925,128.1 85.925,125.1 81.625,125.1
  pour cut-out: 88.558,137.162 88.744,137.162 88.76,137.179 88.779,137.16 88.779,136.318 88.602,136.318 88.396,136.112 88.396,135.82 88.252,135.964 87.827,135.964 87.827,135.974 88.344,136.492 88.558,136.492

## Silkscreen, mask and mechanical layers (free items; w line width, h text height)
Top Overlay:
  drawing of 19 lines, arcs and shapes, not listed
  text "PA_V2" at 31.215,133.091 h0.6
  text "PA_V1" at 30.685,130.431 h0.6
  text "TEAM RFID" at 74.025,127.306 h3 r270
  text "ANT_V2" at 30.326,126.767 h0.6
  text "ANT_V1" at 30.224,124.125 h0.6
  text "3V3" at 30.123,120.877 h0.6
  text "3V3" at 30.123,119.153 h0.6 r270
  text "GND" at 97.256,118.527 h0.6
  text "GND" at 30.123,116.715 h0.6 r270
  text "GND" at 97.203,116.572 h0.6
  text "GND" at 97.203,114.478 h0.6
  text "DTR" at 30.326,112.876 h0.6
  text "RTS" at 30.402,110.285 h0.6
  text "Boot" at 40.208,109.169 h0.6
  text "RX" at 30.186,107.361 h0.6
  text "TX" at 30.326,105.231 h0.6
  text "ETC_1" at 30.014,99.396 h0.6
  text "ETC_2" at 30.014,96.763 h0.6
  text "ETC_3" at 30.209,94.131 h0.6
  text "GND" at 62.665,93.305 h0.6 r90
  text "VSUP" at 71.045,92.912 h0.6 r90
  text "OAD2" at 29.87,91.691 h0.6
  text "GND" at 95.61,88.944 h0.6
  text "OAD" at 29.965,88.91 h0.6
  text "VPA" at 95.737,86.531 h0.6
  text "EN" at 29.916,86.277 h0.6
  text "VPA" at 95.737,83.864 h0.6
  text "IRQ" at 29.77,83.605 h0.6
  text "PA_LDO_EN" at 92.788,81.087 h0.6
  text "NCS" at 29.77,81.013 h0.6
  text "ADC" at 29.672,78.575 h0.6
  text "GND" at 95.483,77.133 h0.6
  text "GND" at 95.483,77.133 h0.6
  text "UART_LOG_TX" at 30.111,75.216 h0.6
  text "GND" at 95.61,74.339 h0.6
  text "MISO" at 30.015,72.032 h0.6
  text "GND" at 95.61,71.799 h0.6
  text "MOSI" at 29.863,69.659 h0.6
  text "CLK" at 30.045,67.317 h0.6
  text "GND" at 29.769,62.589 h0.6
  text "GND" at 29.699,60.433 h0.6
  text "GND" at 29.745,58.579 h0.6
  text "ANT1" at 74.086,51.544 h0.6
  text "ANT2" at 89.553,51.34 h0.6
  text "50 ohm" at 74.189,50.593 h0.6
  text "50 ohm" at 89.68,50.197 h0.6
  text "E N T C" at 43.051,44.942 h3

## Text inside footprints (layer, text, board x,y; h text height)
P2: Top Overlay "PTH D1.09 +/- 0.08" at 67.056,142.494 h0.6 r270